# Altium PCB PCB1.PcbDoc (continued)
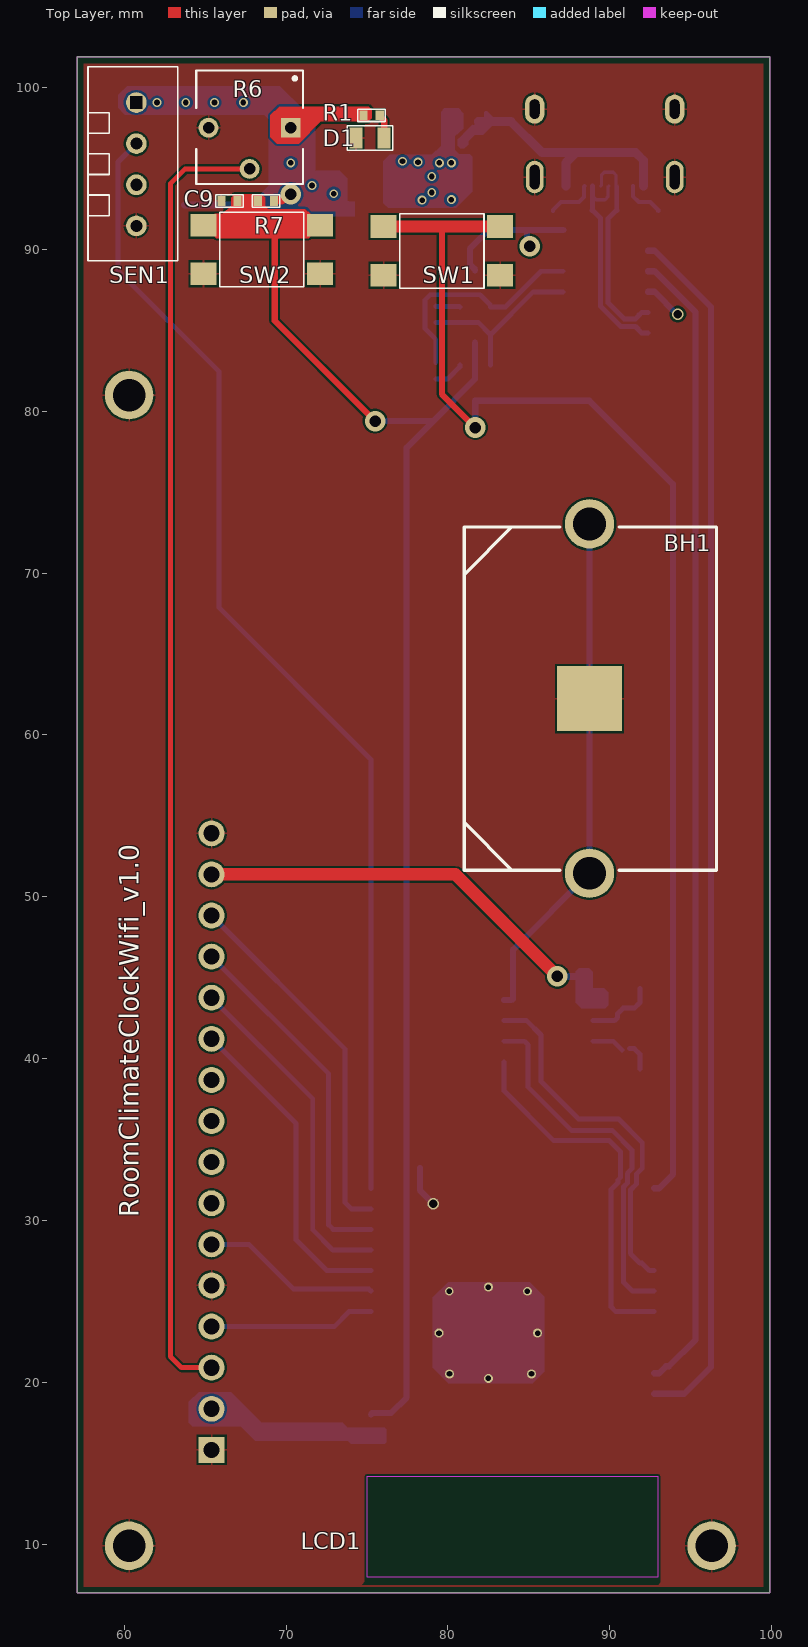
[diagram p0: Top Layer view]
## Part data
BH1: "Holder Battery; Coin Battery; 1 Cell; PC Pin; 0.787 in. Dia.", Manufacturer="Keystone Electronics", Manufacturer Part Number=3035, Supplier Part Number=36-3035-ND, Category="Batteries and Accessories", ComponentLink1Description=http://www.keyelco.com/product-pdf.cfm?p=14185&src-supplier=Digikey, ComponentLink1URL=http://www.keyelco.com/product-pdf.cfm?p=14185&src-supplier=Digikey, ComponentLink2Description=https://datasheet.octopart.com/3035-Keystone-datasheet-137320232.pdf?src-supplier=TME, ComponentLink2URL=https://datasheet.octopart.com/3035-Keystone-datasheet-137320232.pdf?src-supplier=TME, Pricing="1=0,32, 25=0,2912, 100=0,2209, 250=0,19516, 500=0,1522, 1000=0,13912 (USD)", RoHS=Yes, Stock=76867, Supplier=Digikey
C1: library part "0603 1u CAP", "Ceramic Capacitor, Multilayer, Ceramic, 25V, 10% +Tol, 10% -Tol, X7R, 15% TC, 1uF, Surface Mount, 0603", Capacitor Type=Ceramic, Case=0603, Manufacturer=Murata, Manufacturer Part Number=GCM188R71E105KA64D, Max Operating Temperature=125°C, Min Operating Temperature=-55°C, Package Shape=Rectangular, Package Style=SMTMeter, Rated DC Voltage (URdc)=25V, Supplier Part Number=490-10673-6-ND, Temperature Characteristics Code=X7R, Tolerance  (fill in as +-)=10%, Case/Package=0603, Category="Ceramic Capacitors", ComponentLink1Description=https://datasheet.ciiva.com:443/pdfs/VipMasterIC/IC/MURE/MURE-S-A0004362469/MURE-S-A0004362812-1.pdf?src-supplier=IHS+Markit, ComponentLink1URL=https://datasheet.ciiva.com:443/pdfs/VipMasterIC/IC/MURE/MURE-S-A0004362469/MURE-S-A0004362812-1.pdf?src-supplier=IHS+Markit, ComponentLink2Description=https://datasheet.ciiva.com/11616/product-11616499.pdf?src-supplier=Avnet, ComponentLink2URL=https://datasheet.ciiva.com/11616/product-11616499.pdf?src-supplier=Avnet, ComponentLink3Description=https://datasheet.ciiva.com/26843/getdatasheetpartid-562446-26843671.pdf?src-supplier=Verical, ComponentLink3URL=https://datasheet.ciiva.com/26843/getdatasheetpartid-562446-26843671.pdf?src-supplier=Verical, Dielectric Material=Ceramic, Height=0.9mm, JESD-609 Code=e3, Length=1.6mm, Mounting Technology="Surface Mount", Multilayer=Yes, Packaging="Tape and Reel", Pins=2, Pricing="1=0,24, 10=0,158, 50=0,1, 100=0,08, 500=0,05776, 1000=0,0511 (USD)", Reach SVHC Compliant=Yes, Reference Standard=AEC-Q200, RoHS=Yes, RoHS Compliant=Yes, Stock=2612025, Supplier=Digikey, Terminal Finish=Nickel, Termination=Wraparound, Tolerance (fill in as +-)=10%, Width=0.8mm
C2 C7 C9 C10 C13: library part "0402 100n AP", "Ceramic Capacitor, Multilayer, Ceramic, 25V, 10% +Tol, 10% -Tol, X7R, 15% TC, 0.1uF, Surface Mount, 0402", Capacitor Type=Ceramic, Case=0402, Manufacturer=Murata, Manufacturer Part Number=GRM155R71E104KE14J, Max Operating Temperature=125°C, Min Operating Temperature=-55°C, Package Shape=Rectangular, Package Style=SMTMeter, Rated DC Voltage (URdc)=25V, Supplier Part Number=490-14603-1-ND, Temperature Characteristics Code=X7R, Tolerance  (fill in as +-)=10%, Case/Package=0402, Category="Ceramic Capacitors", ComponentLink1Description=https://datasheet.ciiva.com:443/pdfs/VipMasterIC/IC/MURE/MURE-S-A0004362469/MURE-S-A0004364872-1.pdf?src-supplier=IHS+Markit, ComponentLink1URL=https://datasheet.ciiva.com:443/pdfs/VipMasterIC/IC/MURE/MURE-S-A0004362469/MURE-S-A0004364872-1.pdf?src-supplier=IHS+Markit, ComponentLink2Description=http://www.mouser.com/ds/2/281/c02e-2905.pdf?src-supplier=Mouser, ComponentLink2URL=http://www.mouser.com/ds/2/281/c02e-2905.pdf?src-supplier=Mouser, ComponentLink3Description=https://datasheet.octopart.com/GRM155R71E104KE14J-Murata-datasheet-155345056.pdf?src-supplier=Element14, ComponentLink3URL=https://datasheet.octopart.com/GRM155R71E104KE14J-Murata-datasheet-155345056.pdf?src-supplier=Element14, ComponentLink4Description=http://search.murata.co.jp/Ceramy/image/img/A01X/G101/ENG/GRM155R71E104KE14-01.pdf?src-supplier=Digikey, ComponentLink4URL=http://search.murata.co.jp/Ceramy/image/img/A01X/G101/ENG/GRM155R71E104KE14-01.pdf?src-supplier=Digikey, ComponentLink5Description=https://datasheet.octopart.com/GRM155R71E104KE14J-Murata-datasheet-165579666.pdf?src-supplier=TME, ComponentLink5URL=https://datasheet.octopart.com/GRM155R71E104KE14J-Murata-datasheet-165579666.pdf?src-supplier=TME, Dielectric Material=Ceramic, Height=0.5mm, JESD-609 Code=e3, Length=1mm, Mounting Technology="Surface Mount", Multilayer=Yes, Packaging="Tape and Reel", Pins=2, Pricing="1=0,1, 10=0,024, 50=0,0136, 100=0,0105, 500=0,00794, 1000=0,00623, 2500=0,00566, 5000=0,00521 (USD)", Reach SVHC Compliant=Yes, RoHS=Yes, RoHS Compliant=Yes, Stock=3911559, Supplier=Digikey, Terminal Finish=Nickel, Termination=Wraparound, Tolerance (fill in as +-)=10%, Width=0.5mm
C3 C4: library part "0603 1u CAP", "MURATA GRM155R61A475MEAAD", Capacitor Type=Ceramic, Case=0603, Manufacturer=Murata, Manufacturer Part Number=GCM188R71E105KA64D, Max Operating Temperature=125°C, Min Operating Temperature=-55°C, Package Shape=Rectangular, Package Style=SMTMeter, Rated DC Voltage (URdc)=25V, Supplier Part Number=490-10673-6-ND, Temperature Characteristics Code=X7R, Tolerance  (fill in as +-)=10%, Case/Package=0603, Category="Ceramic Capacitors", ComponentLink1Description=https://datasheet.ciiva.com:443/pdfs/VipMasterIC/IC/MURE/MURE-S-A0004362469/MURE-S-A0004362812-1.pdf?src-supplier=IHS+Markit, ComponentLink1URL=https://datasheet.ciiva.com:443/pdfs/VipMasterIC/IC/MURE/MURE-S-A0004362469/MURE-S-A0004362812-1.pdf?src-supplier=IHS+Markit, ComponentLink2Description=https://datasheet.ciiva.com/11616/product-11616499.pdf?src-supplier=Avnet, ComponentLink2URL=https://datasheet.ciiva.com/11616/product-11616499.pdf?src-supplier=Avnet, ComponentLink3Description=https://datasheet.ciiva.com/26843/getdatasheetpartid-562446-26843671.pdf?src-supplier=Verical, ComponentLink3URL=https://datasheet.ciiva.com/26843/getdatasheetpartid-562446-26843671.pdf?src-supplier=Verical, Dielectric Material=Ceramic, Height=0.9mm, JESD-609 Code=e3, Length=1.6mm, Mounting Technology="Surface Mount", Multilayer=Yes, Packaging="Tape and Reel", Pins=2, Pricing="1=0,24, 10=0,158, 50=0,1, 100=0,08, 500=0,05776, 1000=0,0511 (USD)", Reach SVHC Compliant=Yes, Reference Standard=AEC-Q200, RoHS=Yes, RoHS Compliant=Yes, Stock=2612025, Supplier=Digikey, Terminal Finish=Nickel, Termination=Wraparound, Tolerance (fill in as +-)=10%, Width=0.8mm
C5 C6: library part "0402 CAP", "MURATA GRM155R61A475MEAAD", Case=0402
C8: library part "0805 10u CAP", Case=0805
C11 C12: library part "0402 CAP", "GRM1555C1H6R0DA01D / CAP CER 6PF 50V C0G/NP0 0402", Case=0402
D2 D3 D4: "TVS Diode"
F1: "Fuse Chip Very Fast Acting 0.5A 32V SMD Solder Pad 0603 Ceramic CE/UL", Fuse Current=500mA, Manufacturer=Bel, Manufacturer Part Number=C2Q500, Supplier Part Number=507-1089-1-ND, ComponentLink1Description=https://datasheet.ciiva.com/8264/c2q-8264055.pdf?src-supplier=Avnet, ComponentLink1URL=https://datasheet.ciiva.com/8264/c2q-8264055.pdf?src-supplier=Avnet, ComponentLink2Description=https://datasheet.ciiva.com/300/c2q-300617.pdf?src-supplier=Digikey, ComponentLink2URL=https://datasheet.ciiva.com/300/c2q-300617.pdf?src-supplier=Digikey, ComponentLink3Description=https://datasheet.ciiva.com/300/c2q-300618.pdf?src-supplier=Digikey, ComponentLink3URL=https://datasheet.ciiva.com/300/c2q-300618.pdf?src-supplier=Digikey, ComponentLink4Description=https://datasheet.ciiva.com/300/c2q-300619.pdf?src-supplier=Digikey, ComponentLink4URL=https://datasheet.ciiva.com/300/c2q-300619.pdf?src-supplier=Digikey, Pricing="1=0,23, 5=0,22, 10=0,211, 50=0,1884, 100=0,1754, 250=0,15592, 500=0,12992, 1000=0,12343 (USD)", RoHS=Yes, Stock=507621, Supplier=Digikey
Q1 Q2: "Bjt Transistor NPN 25V 1.5A 300MW 3-PIN SOT-23 T/r", Case/Package=TO-236-3, Collector Base Voltage (VCBO)=40V, Collector Emitter Breakdown Voltage=25V, Collector Emitter Saturation Voltage=500mV, Collector-emitter Voltage-Max=400mV, Emitter Base Voltage (VEBO)=5V, JLCPCB Part=C2150, Manufacturer=Comchip, Manufacturer Part Number=SS8050-G, Max Collector Current=1.5A, Max Operating Temperature=150°C, Max Power Dissipation=300mW, Supplier Part Number=750-SS8050-G, Transition Frequency=100MHz, Category=Transistors, ComponentLink1Description="http://www.comchiptech.com/admin/files/product/SS8050-G RevA181526.pdf?src-supplier=Digikey", ComponentLink1URL="http://www.comchiptech.com/admin/files/product/SS8050-G RevA181526.pdf?src-supplier=Digikey", Height=1.15mm, hFE Min=200NUMBER, Max Breakdown Voltage=25V, Mounting Technology="Surface Mount", Number of Elements=1NUMBER, Packaging="Cut Tape", Power Dissipation=300mW, Pricing="1=0,29, 10=0,2, 50=0,2, 100=0,082, 1000=0,057, 10000=0,037 (USD)", RoHS=Yes, RoHS Compliant=Yes, Series=-, Stock=3417, Supplier=Mouser
R1: library part "0402 1k RES", "Fixed Resistor, Metal Glaze/thick Film, 0.06W, 10000ohm, 50V, 1% +/-Tol, 100ppm/Cel, Surface Mount, 0402", Case=0402, Manufacturer=Samsung, Manufacturer Part Number=RC1005F103CS, Max Operating Temperature=125°C, Min Operating Temperature=-55°C, Package Height=0.35mm, Package Length=1mm, Package Shape=Rectangular, Package Style=SMTMeter, Package Width=0.5mm, Power=60mW, Resistor Type="FIXED RESISTOR", Supplier Part Number=1276-3431-1-ND, Temperature Coefficient=100ppm/°C, Tolerance=1%, Working Voltage=50V, Case/Package=0402, Category="Chip SMD Resistors", ComponentLink1Description=https://datasheet.ciiva.com:443/pdfs/VipMasterIC/IC/SEMS/SEMS-S-A0001326806/SEMS-S-A0001326806-1.pdf?src-supplier=IHS+Markit, ComponentLink1URL=https://datasheet.ciiva.com:443/pdfs/VipMasterIC/IC/SEMS/SEMS-S-A0001326806/SEMS-S-A0001326806-1.pdf?src-supplier=IHS+Markit, ComponentLink2Description=https://datasheet.ciiva.com/15196/getdatasheetpartid-504789-15196214.pdf?src-supplier=Verical, ComponentLink2URL=https://datasheet.ciiva.com/15196/getdatasheetpartid-504789-15196214.pdf?src-supplier=Verical, ComponentLink3Description=https://datasheet.ciiva.com/16481/rcseries-16481007.pdf?src-supplier=Future+Electronics, ComponentLink3URL=https://datasheet.ciiva.com/16481/rcseries-16481007.pdf?src-supplier=Future+Electronics, Construction=Chip, JESD-609 Code=e3, Mounting Technology="Surface Mount", Packaging="Tape and Reel", Pins=2, Pricing="1=0,1, 10=0,024, 50=0,0156, 100=0,0132, 500=0,00922, 1000=0,00803, 5000=0,00598 (USD)", Reach SVHC Compliant=Yes, RoHS=Yes, RoHS Compliant=Yes, Stock=45634757, Supplier=Digikey, Technology="METAL GLAZE/THICK FILM", Terminal Finish=Nickel
R2 R3: library part "0402 RES", Case=0402
R4 R5 R7: library part "0402 10k RES", "Fixed Resistor, Metal Glaze/thick Film, 0.06W, 10000ohm, 50V, 1% +/-Tol, 100ppm/Cel, Surface Mount, 0402", Case=0402, Manufacturer=Samsung, Manufacturer Part Number=RC1005F103CS, Max Operating Temperature=125°C, Min Operating Temperature=-55°C, Package Height=0.35mm, Package Length=1mm, Package Shape=Rectangular, Package Style=SMTMeter, Package Width=0.5mm, Power=60mW, Resistor Type="FIXED RESISTOR", Supplier Part Number=1276-3431-1-ND, Temperature Coefficient=100ppm/°C, Tolerance=1%, Working Voltage=50V, Case/Package=0402, Category="Chip SMD Resistors", ComponentLink1Description=https://datasheet.ciiva.com:443/pdfs/VipMasterIC/IC/SEMS/SEMS-S-A0001326806/SEMS-S-A0001326806-1.pdf?src-supplier=IHS+Markit, ComponentLink1URL=https://datasheet.ciiva.com:443/pdfs/VipMasterIC/IC/SEMS/SEMS-S-A0001326806/SEMS-S-A0001326806-1.pdf?src-supplier=IHS+Markit, ComponentLink2Description=https://datasheet.ciiva.com/15196/getdatasheetpartid-504789-15196214.pdf?src-supplier=Verical, ComponentLink2URL=https://datasheet.ciiva.com/15196/getdatasheetpartid-504789-15196214.pdf?src-supplier=Verical, ComponentLink3Description=https://datasheet.ciiva.com/16481/rcseries-16481007.pdf?src-supplier=Future+Electronics, ComponentLink3URL=https://datasheet.ciiva.com/16481/rcseries-16481007.pdf?src-supplier=Future+Electronics, Construction=Chip, JESD-609 Code=e3, Mounting Technology="Surface Mount", Packaging="Tape and Reel", Pins=2, Pricing="1=0,1, 10=0,024, 50=0,0156, 100=0,0132, 500=0,00922, 1000=0,00803, 5000=0,00598 (USD)", Reach SVHC Compliant=Yes, RoHS=Yes, RoHS Compliant=Yes, Stock=45634757, Supplier=Digikey, Technology="METAL GLAZE/THICK FILM", Terminal Finish=Nickel
R6: "Trimmer, Cermet, 0.5W, 10000ohm, 10% +/-Tol, -100,100ppm/Cel, 2628", Case/Package=2628, Manufacturer=Bourns, Manufacturer Part Number=3362P-1-103RLF, Max Operating Temperature=125°C, Min Operating Temperature=-55°C, Package Height=4.7mm, Package Length=6.6mm, Package Style="PCB MountMeter", Package Width=7mm, Power=500mW, Resistor Type=TRIMMER, Supplier Part Number=652-3362P-1-103RLF, Temperature Coefficient=-100100ppm/°C, Tolerance=10%, Category="Variable Resistors and Potentiometers", ComponentLink1Description=https://datasheet.ciiva.com:443/pdfs/VipMasterIC/IC/BOUR/BOUR-S-A0008793914/BOUR-S-A0008793914-1.pdf?src-supplier=IHS+Markit, ComponentLink1URL=https://datasheet.ciiva.com:443/pdfs/VipMasterIC/IC/BOUR/BOUR-S-A0008793914/BOUR-S-A0008793914-1.pdf?src-supplier=IHS+Markit, ComponentLink2Description=https://datasheet.ciiva.com/8701/3362-8701790.pdf?src-supplier=Avnet, ComponentLink2URL=https://datasheet.ciiva.com/8701/3362-8701790.pdf?src-supplier=Avnet, ComponentLink3Description=https://datasheet.ciiva.com/2160/3362-2160816.pdf?src-supplier=Digikey, ComponentLink3URL=https://datasheet.ciiva.com/2160/3362-2160816.pdf?src-supplier=Digikey, ComponentLink4Description=https://datasheet.ciiva.com/15211/getdatasheetpartid-343160-15211788.pdf?src-supplier=Verical, ComponentLink4URL=https://datasheet.ciiva.com/15211/getdatasheetpartid-343160-15211788.pdf?src-supplier=Verical, Construction="Trimmer Pot", JESD-609 Code=e3, Packaging="Tape and Reel", Pricing="1=1,83, 10=1,39, 50=1,39, 100=1,28, 1000=0,861, 10000=0,833 (USD)", Reach SVHC Compliant=Yes, RoHS=Yes, RoHS Compliant=Yes, Rotational Angle=240°, Stock=1232, Supplier=Mouser, Technology=CERMET, Terminal Finish=Tin
SEN1: "Temperature and Humidity Sensor", Max Operating Current=2.5mA, Temperature Range="0-50°C / ±2°C", Voltage="3 to 5", Humidity Range="20-80% / ±5%", Sampling Rate="1 Hz"
SW1 SW2: "TL3305BF260QG Keypad Switch, 1 Switches, SPST, Momentary, 0.05A, 12VDC, 3.04N, Solder Terminal, Surface Mount-straight", Contact Current(DC)-Max=50mA, Contact DC Max Rating R Load=.05A@12VDC, Contact Voltage(DC)-Max=12V, Manufacturer=E-Switch, Manufacturer Part Number=TL3305BF260QG, Max Operating Temperature=70°C, Min Operating Temperature=-20°C, Operating Force-Max=3.04N, Supplier Part Number=EG5354CT-ND, Body Breadth=4.5inch, Body Height=4.9mm, Body Length or Diameter=4.5mm, Category="Tactile Switches", Circuit Configuration=1X1, ComponentLink1Description=https://datasheet.ciiva.com:443/pdfs/VipMasterIC/IC/ESCH/ESCH-S-A0003149373/ESCH-S-A0003149373-1.pdf?src-supplier=IHS+Markit, ComponentLink1URL=https://datasheet.ciiva.com:443/pdfs/VipMasterIC/IC/ESCH/ESCH-S-A0003149373/ESCH-S-A0003149373-1.pdf?src-supplier=IHS+Markit, ComponentLink2Description=http://www.farnell.com/datasheets/2554191.pdf?src-supplier=Farnell, ComponentLink2URL=http://www.farnell.com/datasheets/2554191.pdf?src-supplier=Farnell, ComponentLink3Description=https://sten-eswitch-13110800-production.s3.amazonaws.com/system/asset/product_line/data_sheet/213/TL3305.pdf?src-supplier=Digikey, ComponentLink3URL=https://sten-eswitch-13110800-production.s3.amazonaws.com/system/asset/product_line/data_sheet/213/TL3305.pdf?src-supplier=Digikey, ComponentLink4Description=http://spec_sheets.e-switch.com/specs/P010472.pdf?src-supplier=Digikey, ComponentLink4URL=http://spec_sheets.e-switch.com/specs/P010472.pdf?src-supplier=Digikey, ComponentLink5Description=https://datasheet.octopart.com/TL3305BF260QG-E-Switch-datasheet-100437264.pdf?src-supplier=Element14, ComponentLink5URL=https://datasheet.octopart.com/TL3305BF260QG-E-Switch-datasheet-100437264.pdf?src-supplier=Element14, ComponentLink6Description=https://datasheet.octopart.com/TL3305BF260QG-E-Switch-datasheet-62330036.pdf?src-supplier=Future+Electronics, ComponentLink6URL=https://datasheet.octopart.com/TL3305BF260QG-E-Switch-datasheet-62330036.pdf?src-supplier=Future+Electronics, ComponentLink7Description=http://www.farnell.com/datasheets/2554191.pdf?src-supplier=Newark, ComponentLink7URL=http://www.farnell.com/datasheets/2554191.pdf?src-supplier=Newark, Electrical Life=200000Cycles, Mounting Technology="Surface Mount", Number of Switches=1, Packaging="Tape and Reel", Pricing="1=0,22, 10=0,214, 25=0,2028, 100=0,1836, 250=0,16736, 500=0,15558 (USD)", Reach SVHC Compliant=Yes, RoHS=Yes, RoHS Compliant=Yes, Stock=306451, Supplier=Digikey, Switch Action=MOMENTARY, Switch Function=SPST, Switch Type=Keypad, Termination=Solder
U1: "Fixed Positive LDO Regulator, 3.3V, 0.15V Dropout, SOT223", Case/Package=SOT223, Dropout Voltage1-Max=150mV, Manufacturer=Diodes, Max Supply Voltage=6V, Min Input Voltage=4.3V, Operating Temperature, TJ-Max=150°C, Operating Temperature, TJ-Min=-40°C, Output Current1-Max=1A, Output Voltage1-Max=3.333V, Output Voltage1-Min=3.267V, Output Voltage1-Nom=3.3V, Package Body Material=Plastic, Package Shape=Rectangular, Package Style="SMALL OUTLINEMeter", Supplier Part Number=621-AP7361C-33E-13, Category="TVS Diodes", Channels=1, ComponentLink1Description=https://datasheet.ciiva.com:443/pdfs/VipMasterIC/IC/DIOD/DIOD-S-A0004145196/DIOD-S-A0004145196-1.pdf?src-supplier=IHS+Markit, ComponentLink1URL=https://datasheet.ciiva.com:443/pdfs/VipMasterIC/IC/DIOD/DIOD-S-A0004145196/DIOD-S-A0004145196-1.pdf?src-supplier=IHS+Markit, ComponentLink2Description=http://www.mouser.com/ds/2/115/AP7361C-775034.pdf?src-supplier=Mouser, ComponentLink2URL=http://www.mouser.com/ds/2/115/AP7361C-775034.pdf?src-supplier=Mouser, ComponentLink3Description=https://datasheet.octopart.com/AP7361C-33E-13-Diodes-Inc.-datasheet-101745716.pdf?src-supplier=Element14, ComponentLink3URL=https://datasheet.octopart.com/AP7361C-33E-13-Diodes-Inc.-datasheet-101745716.pdf?src-supplier=Element14, ComponentLink4Description=https://datasheet.octopart.com/AP7361C-33E-13-Diodes-Inc.-datasheet-101745716.pdf?src-supplier=Future+Electronics, ComponentLink4URL=https://datasheet.octopart.com/AP7361C-33E-13-Diodes-Inc.-datasheet-101745716.pdf?src-supplier=Future+Electronics, ComponentLink5Description=https://www.diodes.com/assets/Datasheets/AP7361C.pdf?src-supplier=Digikey, ComponentLink5URL=https://www.diodes.com/assets/Datasheets/AP7361C.pdf?src-supplier=Digikey, ComponentLink6Description=https://datasheet.octopart.com/AP7361C-33E-13-Diodes-Inc.-datasheet-158996477.pdf?src-supplier=SHENGYU+ELECTRONICS, ComponentLink6URL=https://datasheet.octopart.com/AP7361C-33E-13-Diodes-Inc.-datasheet-158996477.pdf?src-supplier=SHENGYU+ELECTRONICS, Height - Seated (Max)=1.8mm, JESD-30 Code=R-PDSO-G3, JESD-609 Code=e3, Length=6.5mm, Manufacturer Part Number=AP7361C-33E-13, Pins=3, Pricing="1=0,6, 10=0,482, 50=0,482, 100=0,358, 1000=0,234, 10000=0,17 (USD)", Reach SVHC Compliant=Yes, Regulator Type="FIXED POSITIVE SINGLE OUTPUT LDO REGULATOR", RoHS=Yes, RoHS Compliant=Yes, Stock=15754, Supplier=Mouser, Surface Mount=Yes, Terminal Finish=Tin, Terminal Form="Gull Wing", Terminal Pitch=2.3mm, Terminal Position=DUAL, Width=3.5mm
U3: "RTC IC SOP-8 Real-Time Clocks(RTC) ROHS", Case/Package=SOP-8, JLCPCB Part=C910859, Manufacturer=HGSEMI, ComponentLink1Description=datasheet, ComponentLink1URL=https://wmsc.lcsc.com/wmsc/upload/file/pdf/v2/lcsc/2404010908_HGSEMI-DS1302ZM-TR_C910859.pdf
U4: "USB to UART bridge IC / No Crystal needed", Case/Package=SOP-16, JLCPCB Part=C7464026
USB1: library part "USB TYPE C 12 PIN (Right Angle)", "Manufacturer SHOU HAN / MFR.Part #TYPE-C 16PIN 2MD(073) / JLCPCB Part # C2765186", Current Rating=5A, JLCPCB Part=C2765186, Manufacturer="SHOU HAN", Voltage Rating=5V
X1: library part Q13FC13500049, "32.768kHz Surface mount crystal oscillator 6pF ±20ppm SMD3215-2P Crystals ROHS", Case/Package=SMD3215, JLCPCB Part=C95361, Load Capacitance=6pF, Manufucter="Seiko Epson"

## Free pads (board coordinates)
  round 3 hole 2 paste-2539.97 mask+0.05: MH(60.3,9.9) MH(60.3,81) MH(96.3,9.9)

## Via types
v1: diameter 0.55, hole 0.35, Top Layer to Bottom Layer, tented both sides, 23 vias
v2: diameter 1.27, hole 0.711, Top Layer to Bottom Layer, tented both sides, 5 vias
v3: diameter 0.7, hole 0.511, Top Layer to Bottom Layer, tented both sides, 2 vias

## Nets (pads, with @x,y where several pads share a name; then routed paths per layer and width w, separated by ;. In a path a pad name is that pad's centre, name@x,y a point inside that pad or via, vN(x,y) a via of type N, cw(c..) or ccw(c..) an arc to the next point about the centre after c; other vN are vias at no path point)
3V3: C1.2 C2.2 C4.2 C6.2 C7.2 C8.2 C10.2 C13.2 LCD1.2 LCD1.15 R1.1 R6.1 R7.1 SEN1.1 U1.3 U2.2 U3.1 U4.4 U4.16 | length 44.2
  Top Layer w0.508: R7.1 69.25,93.042 69.254,93.046 69.73,93.046 70.084,93.4 v2(70.29,93.4)
  Top Layer w0.762: LCD1.15 80.466,51.385 v2(86.766,45.085)
  Bottom Layer w0.381: C2.2 81.686,88.766 81.626,88.825 81.592,88.825 81.369,89.049 C1.2 81.369,90.066 82.498,91.195 84.812,91.195 ; v2(85.065,90.195) 84.894,90.366 84.894,91.112 84.812,91.195 ; U4.16 84.812,91.195 ; U4.4 92.775,87.385 94.156,86.004 v3(94.209,86.004)
  Bottom Layer w0.457: C13.2 69.884,92.75 69.9,92.766 ; v2(86.766,45.085) 87.198,45.085 87.205,45.078 C10.2
  other v1: 72.949,93.447 71.6,93.95 70.29,95.352 62.027,99.085 63.805,99.085 65.583,99.085 67.361,99.085
5V: C3.2 C5.2 F1.2 U1.1
  other v1: 78.409,93.051 80.213,93.077 79.005,93.523 79.005,94.513 79.477,95.352 80.213,95.352 78.149,95.4 77.2,95.451
D12: SEN1.2 U2.14 | length 71.5
  Bottom Layer w0.305: SEN1.2 59.617,95.407 59.617,88.693 65.862,82.448 65.862,67.869 75.25,58.481 U2.14
D14: LCD1.14 U2.13 | length 22.9
  Bottom Layer w0.305: LCD1.14 73.635,40.607 73.635,31.121 74.036,30.72 U2.13
D25: LCD1.11 U2.10 | length 20
  Bottom Layer w0.305: LCD1.11 70.614,36.008 70.614,28.807 72.511,26.91 U2.10
D26: LCD1.12 U2.11 | length 21.1
  Bottom Layer w0.305: LCD1.12 71.649,37.513 71.649,29.417 72.887,28.18 U2.11
D27: LCD1.13 U2.12 | length 22.3
  Bottom Layer w0.305: LCD1.13 72.628,39.074 72.628,29.729 72.907,29.45 U2.12
D32: LCD1.4 U2.8 | length 10.2
  Bottom Layer w0.305: LCD1.4 72.968,23.445 73.892,24.37 U2.8
D33: LCD1.6 U2.9 | length 11
  Bottom Layer w0.305: LCD1.6 67.701,28.525 70.455,25.771 75.119,25.771 U2.9
D_N: D4.1 U4.6 USB1.5 USB1.7 | length 13.7
  Bottom Layer w0.2: USB1.5 88.988,93.875 88.988,93.251 89.164,93.075 89.713,93.075 89.889,93.251 89.889,93.875 USB1.7
  Bottom Layer w0.29: D4.1@88.939,92.429 USB1.5
  Bottom Layer w0.317: D4.1 D4.1@88.939,92.429 ; D4.1@88.954,92.405 89.421,91.938 89.421,86.513 90.688,85.246 91.149,85.246 91.598,85.246 91.784,85.061 91.784,85.036 91.975,84.845 U4.6
D_P: D3.1 U4.5 USB1.6 USB1.8 | length 13
  Bottom Layer w0.2: USB1.6 89.489,93.975 89.489,94.599 89.664,94.775 90.213,94.775 90.389,94.599 90.389,93.975 USB1.8
  Bottom Layer w0.29: D3.1 USB1.8@90.438,93.901
  Bottom Layer w0.317: D3.1 90.398,92.405 89.889,91.895 89.889,86.706 90.881,85.714 90.956,85.714 91.598,85.714 91.784,85.899 91.784,85.924 91.975,86.115 U4.5
DTR: Q2.2 R4.1 U4.13 | length 11.2
  Bottom Layer w0.305: R4.1 81.871,85.5 82.636,84.735 ; Q2.2 82.636,84.735 ; U4.13 85.286,87.385 82.636,84.735
EN: C9.2 Q1.3 R7.2 SW2.2 SW2.4 U2.3 | length 96.6
  Top Layer w0.381: SW2.2 70.1,91.5 ; C9.2 R7.2 ; SW2.4 70.1,91.5 ; v2(75.5,79.4) 69.3,85.6 69.3,90.7 70.1,91.5
  Bottom Layer w0.381: U2.3 75.33,18.1 76.482,18.1 77.444,19.062 77.444,77.759 79.086,79.4 ; v2(75.5,79.4) 79.086,79.4 ; Q1.3 81.686,82 79.086,79.4
ESP_RX: U2.35 U4.2 | length 75
  Bottom Layer w0.381: U4.2 92.775,89.925 96.259,86.441 96.259,20.959 94.59,19.29 U2.35
ESP_TX: U2.34 U4.3 | length 70.9
  Bottom Layer w0.381: U4.3 92.775,88.655 95.308,86.122 95.308,22.636 93.662,20.989 93.479,20.989 93.05,20.56 U2.34
GND: BH1.N C1.1 C2.1 C3.1 C4.1 C5.1 C6.1 C7.1 C8.1 C9.1 C10.1 C11.2 C12.2 C13.1 D1.1 D2.2 D3.2 D4.2 LCD1.1 LCD1.5 LCD1.16 pad.MH R2.1 R3.1 R6.3 SEN1.4 SW1.1 SW1.3 SW2.1 SW2.3 U1.2 U2.1 U2.15 U2.38 U2.39 U3.4 U4.1 USB1.1 USB1.12 USB1.13 | length 2.5
  Bottom Layer w0.381: U2.15 78.285,31.849 v3(79.096,31.039)
  other v1: 82.499,20.244 80.1,20.523 85.166,20.523 79.451,23.038 85.547,23.038 80.086,25.629 84.912,25.629 82.499,25.883
GPIO0: Q2.3 SW1.2 SW1.4 U2.25 | length 80.6
  Top Layer w0.381: 79.631,91.416 79.631,81.069 v2(81.7,79)
  Top Layer w0.762: SW1.2 79.631,91.416 SW1.4
  Bottom Layer w0.381: v2(81.7,79) 81.693,79.007 81.693,80.643 Q2.3 88.75,80.65 93.9,75.5 93.9,32.84 93.05,31.99 U2.25
NetBH1_P: BH1.P U3.8 | length 31.9
  Bottom Layer w0.381: U3.8 83.94,43.618 84.024,43.702 84.024,46.729 88.75,51.455 BH1.P@88.75,73.045
NetC11_1: C11.1 U3.2 X1.2 | length 4.4
  Bottom Layer w0.305: U3.2 90.302,42.348 90.481,42.526 90.481,42.775 90.828,43.123 91.525,43.123 91.873,43.47 C11.1
NetC12_1: C12.1 U3.3 X1.1 | length 3.7
  Bottom Layer w0.305: U3.3 90.214,41.078 X1.1@90.749,40.543 ; X1.1 91.525,40.623 91.873,40.275 C12.1
NetD1_2: D1.2 R1.2 | length 1.5
  Top Layer w0.381: R1.2 75.788,98.24 76.063,97.965 D1.2
NetQ1_1: Q1.1 R4.2 | length 1.5
  Bottom Layer w0.305: R4.2 79.275,86.475 80.711,86.475 Q1.1
NetQ2_1: Q2.1 R5.2 | length 1.9
  Bottom Layer w0.305: R5.2 79.986,82 80.736,82.75 Q2.1
NetR2_2: R2.2 USB1.10 | length 2.6
  Bottom Layer w0.254: USB1.10 91.439,93.288 91.794,92.932 92.504,92.932 93,92.436 R2.2
NetR3_2: R3.2 USB1.4 | length 3
  Bottom Layer w0.254: R3.2 86.5,92.436 86.996,92.932 88.108,92.932 88.416,93.24 88.416,93.902 USB1.4
POT: LCD1.3 R6.2 | length 80.6
  Top Layer w0.305: LCD1.3 63.539,20.905 62.849,21.596 62.849,94.066 63.762,94.98 R6.2
RTC_CLK: U2.29 U3.7 | length 22.4
  Bottom Layer w0.305: U3.7 84.868,42.348 85.752,41.463 85.752,38.597 88.079,36.27 90.554,36.27 92.01,34.814 92.01,33.224 91.646,32.86 91.646,32.251 91.282,31.887 91.282,27.95 91.854,27.378 91.982,27.378 92.45,26.91 U2.29
RTC_DAT: U2.30 U3.6 | length 22.7
  Bottom Layer w0.305: U3.6 84.738,41.078 84.961,40.855 84.961,38.238 87.628,35.572 90.153,35.572 91.371,34.353 91.371,33.196 91.089,32.915 91.089,32.305 90.85,32.066 90.85,26.184 91.394,25.64 U2.30
RTC_RST: U2.31 U3.5 | length 23.2
  Bottom Layer w0.305: U3.5 83.465,38.011 86.542,34.933 89.989,34.933 90.658,34.264 90.658,32.648 90.517,32.508 90.517,32.344 90.09,31.917 90.09,24.655 90.375,24.37 U2.31
RTS: Q1.2 R5.1 U4.14 | length 14.1
  Bottom Layer w0.305: R5.1 79.25,84.452 78.598,85.104 78.598,86.896 78.904,87.203 81.983,87.203 82.636,86.55 Q1.2 83.553,86.45 85.758,88.655 U4.14
VBUS: D2.1 F1.1 USB1.2 USB1.11 | length 15.9
  Bottom Layer w0.254: D2.1 D2.1@81.004,96.673 ; F1.1@81.555,97.392 F1.1
  Bottom Layer w0.55: F1.1 83.9,97.9 85.8,96 87.939,96 ; USB1.2 87.289,95.35 87.939,96 ; USB1.11 92.089,95.5 91.589,96 87.939,96
pads on no net: LCD1.7 LCD1.8 LCD1.9 LCD1.10 SEN1.3 U2.4 U2.5 U2.6 U2.7 U2.16 U2.17 U2.18 U2.19 U2.20 U2.21 U2.22 U2.23 U2.24 U2.26 U2.27 U2.28 U2.32 U2.33 U2.36 U2.37 U4.7 U4.8 U4.9 U4.10 U4.11 U4.12 U4.15 USB1.3 USB1.9

## Polygon pours and split planes (outlines as drawn)
GND on Bottom Layer "GND_L04_P001" (solid, remove dead copper, pour order 1): 57.5,101.473 57.5,7.366 99.5,7.366 99.5,101.473
GND on Top Layer "GND_L01_P000" (solid, remove dead copper, pour order 0): 57.5,101.473 57.5,7.366 99.5,7.366 99.5,101.473
5V on POWER (split plane): 80.645,98.448 80.645,95.91 80.654,95.862 80.682,95.82 80.723,95.793 80.772,95.783 81.387,95.783 81.457,95.713 81.457,93.677 80.516,92.736 76.405,92.736 76.2,92.941 76.2,95.299 76.532,95.631 78.334,95.631 78.382,95.64 78.424,95.668 78.652,95.896 79.211,96.455 79.239,96.497 79.248,96.545 79.248,98.398 79.529,98.679 80.414,98.679
3V3 on POWER (split plane): 99.39,7.51 57.61,7.51 57.61,101.39 99.39,101.39
GND on GROUND (split plane): 99.39,7.51 57.61,7.51 57.61,101.39 99.39,101.39

## Keep-outs
Keep-Out Layer:
  the board outline again, w0.1

## Other copper
Top Layer:
  pour cut-out: 74.863,7.99 74.863,7.663 74.7,7.5 93,7.5 93.137,7.637 93.137,7.99 93.027,8.1 93,8.1
  region net 3V3: 75.085,97.909 75.288,98.113 75.288,98.667 75.124,98.831 69.571,98.831 69.037,98.298 69.037,96.926 69.418,96.545 70.795,96.545 72.159,97.909 74.788,97.909
  region net EN: 66.6,92.7 66.1,92.2 65.6,92.2 65.6,90.8 65.7,90.7 71.4,90.7 71.5,90.8 71.5,92.2 71.2,92.5 68.9,92.5 68.7,92.7
  region net EN: 66.6,93.2 66.8,93.4 68.5,93.4 68.7,93.2 68.7,92.7 68.5,92.5 66.8,92.5 66.6,92.7
Bottom Layer:
  region net VBUS: 80.751,96.95 80.601,96.8 80.6,96.8 80.6,96.401 80.751,96.25 81.022,96.25 81.251,96.479 81.251,96.7 81.651,97.1 82.2,97.1 82.8,97.7 82.4,97.7 82.3,97.8 82.1,97.6 81.5,97.7 81.2,97.4
  pour cut-out: 82.032,94.973 82.007,94.727 81.648,94.875
  pour cut-out: 81.826,96.663 81.826,95.827 81.569,95.827 81.569,95.842 81.418,95.842 81.418,95.921 81.246,95.921 81.246,95.987 80.961,95.987 80.961,96.362 81.308,96.362 81.704,96.789
  pour cut-out: 81.301,98.662 80.819,98.662 80.819,98.568
  pour cut-out: 93.137,7.99 93.137,7.637 93,7.5
  pour cut-out: 93.137,7.99 93,7.853 93,7.5 75,7.5 74.863,7.637 74.863,7.99 74.973,8.1 75.3,8.1
  pour cut-out: 74.863,7.99 74.863,7.637 75,7.5
  region net GND: 79.07,25.248 80.01,26.187 85.065,26.187 85.954,25.298 85.954,20.65 85.242,19.939 80.035,19.939 79.07,20.904
  region net 3V3: 68.377,98.323 68.656,98.323 69.24,97.739 69.62,98.119 69.62,98.257 69.487,98.257 68.836,98.908 68.783,98.908
  region net 3V3: 60.173,100.101 69.62,100.101 71.121,98.601 70.843,98.323 60.3,98.323 60.046,98.323 59.617,98.752 59.617,99.546
  region net VBUS: 82.891,97.9 82.891,98.067 82.424,98.535 82.311,98.535 82.25,98.474 82.25,98.175
  region net 5V: 80.964,97.454 80.964,98.423 80.675,98.712 79.788,98.712 79.583,98.507 79.583,96.426 79.005,95.848 76.408,95.848 76.011,95.451 76.011,92.87 76.3,92.581 80.518,92.581 81.511,93.573 81.511,95.715 81.345,95.881 80.692,95.881 80.411,96.162 80.411,97.011
  region net 3V3: 69.02,94.02 67.75,92.75 68.442,92.058 70.658,92.058 71.036,92.436
  region net 3V3: 64,18.8 64.6,19.4 66.6,19.4 68.5,17.5 73.5,17.5 73.8,17.2 76.1,17.2 76.2,17.1 76.2,16.3 76.1,16.2 74,16.2 73.8,16.4 70.1,16.4 68.1,16.4 67.2,17.3 64.2,17.3 64,17.5
  region net 3V3: 88.248,43.123 87.9,43.47 87.9,45.4 88.1,45.6 88.722,45.6 88.965,45.358 88.965,44.339 89.661,44.339 89.9,44.1 89.9,43.3 89.723,43.123
  region net 3V3: 68.931,97.15 68.931,98.389 69.143,98.601 71.121,98.601 71.81,97.912 71.81,94.892 71.845,94.857 73.328,94.857 73.795,94.391 73.795,93.051 73.904,92.942 74.238,92.942 74.238,92.058 70.367,92.058 68.931,93.494
GROUND (plane layer: these items are gaps in the copper):
  rectangle: 74.913,7.798 93.091,14.249
POWER (plane layer: these items are gaps in the copper):
  rectangle: 74.913,7.798 93.091,14.249
  lines w0.25: 76.073,92.888 76.352,92.608 80.569,92.608 81.585,93.624 81.585,95.765 81.44,95.91 80.772,95.91 80.772,98.501 80.467,98.806 79.477,98.806 79.121,98.45 79.121,96.545 78.562,95.987 78.334,95.758 76.479,95.758 76.073,95.352 76.073,92.888

## Silkscreen, mask and mechanical layers (free items; w line width, h text height)
Top Overlay:
  text "RoomClimateClockWifi_v1.0" at 60.9,30.2 h1.2 r90
Bottom Overlay:
  drawing of 144 lines, arcs and shapes, not listed
  text "Hey, pal, what time you got?" at 74.8,37.1 h1.5 r270

## Text inside footprints (layer, text, board x,y; h text height)
U2: Bottom Component Center "ANTENNA" at 78,11.74 h1.78 r180